# KiCad board ZVE.kicad_pcb (continued)
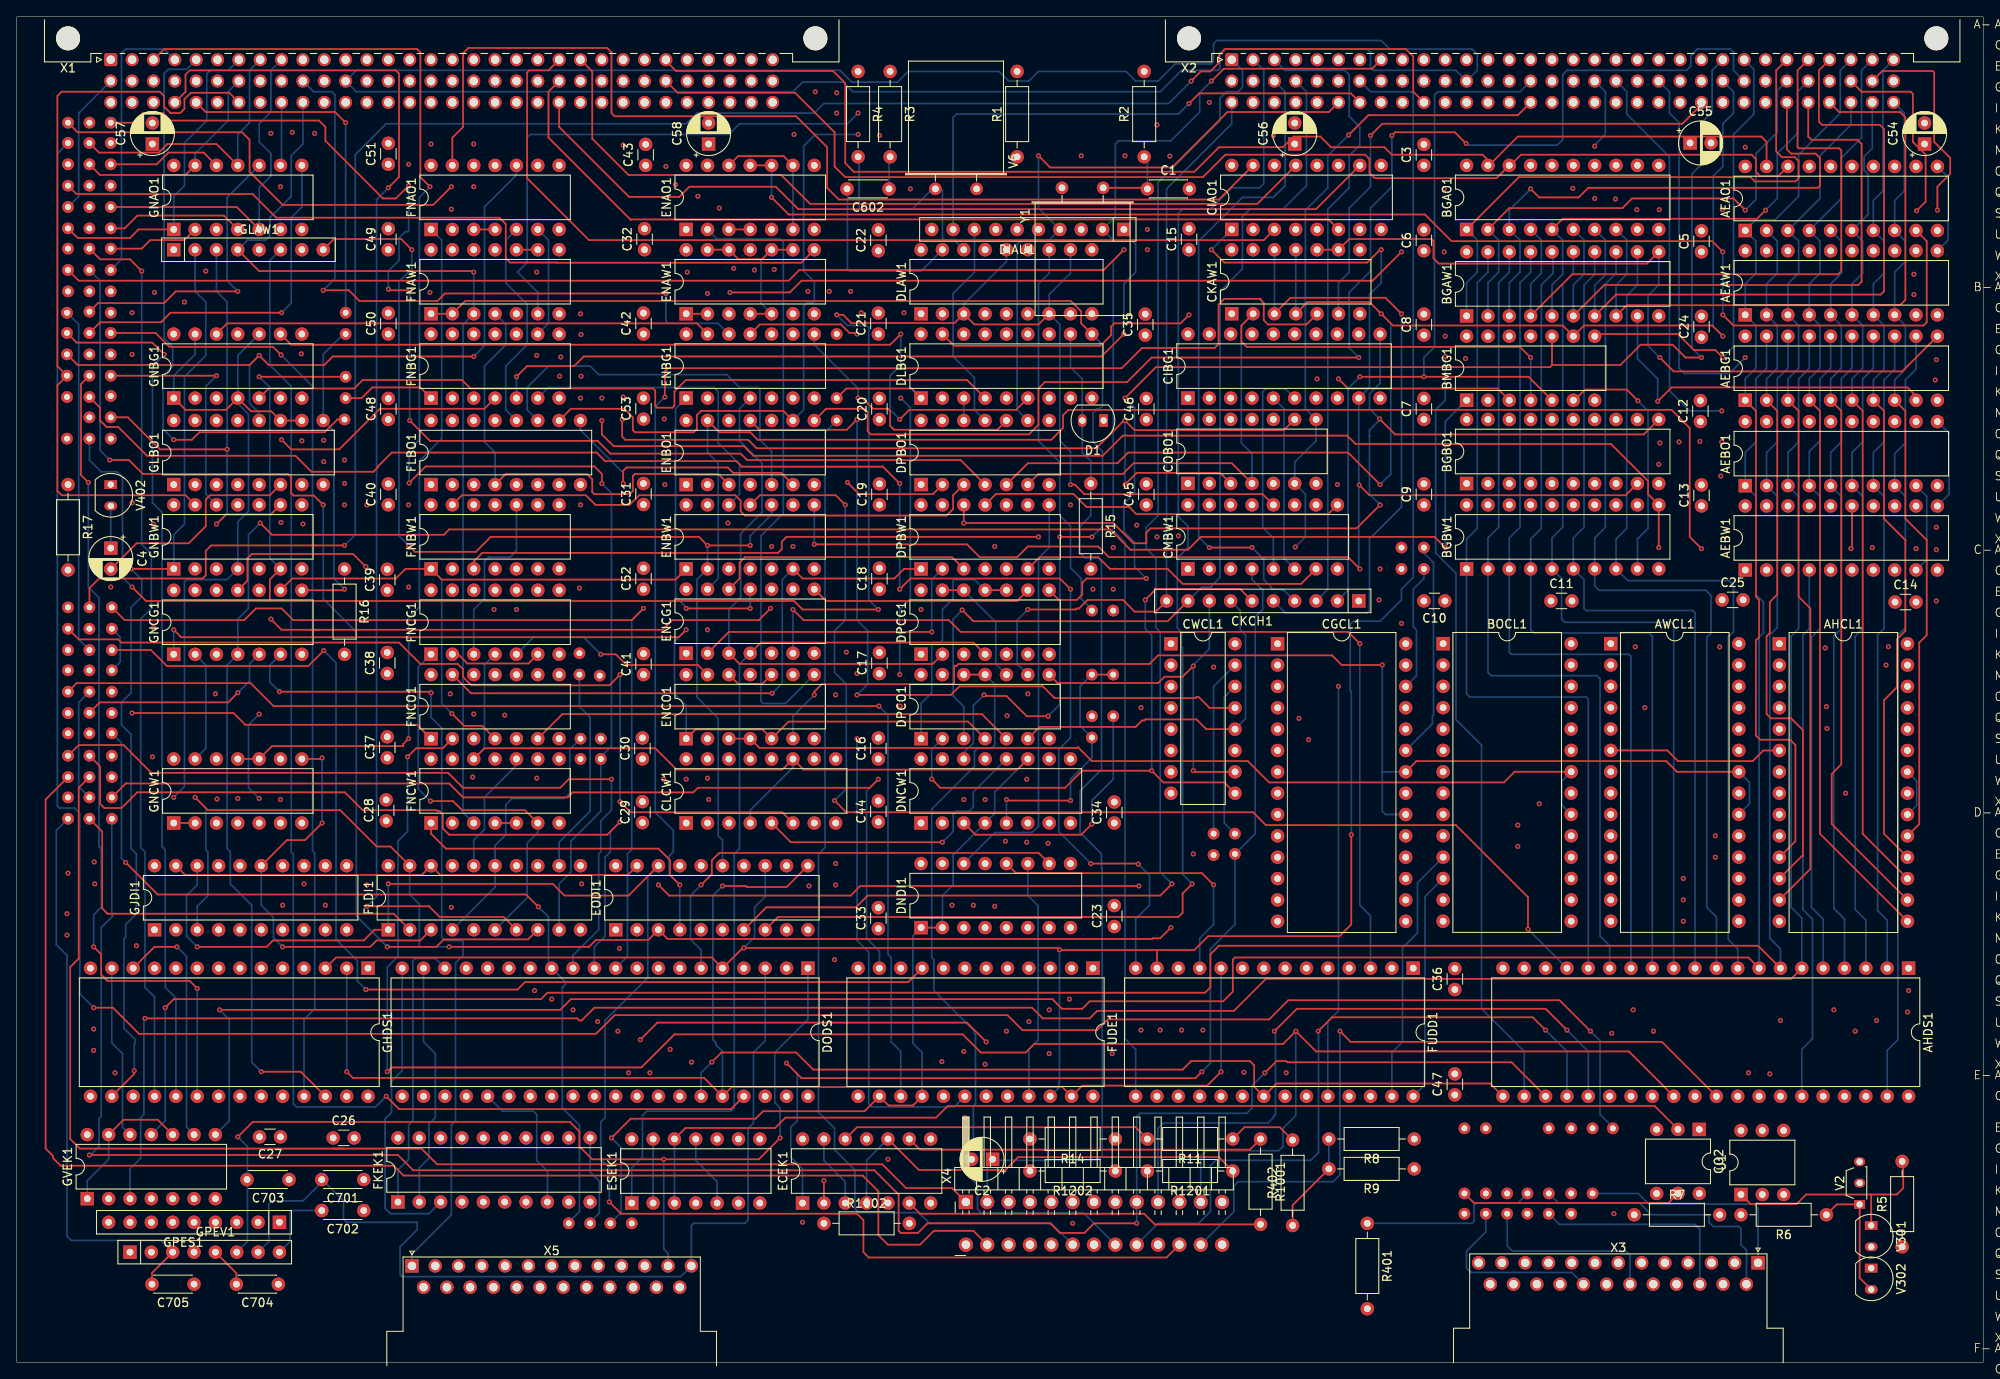
[diagram p0: board, top side]
## Routing (per net, layer and track width the routed paths; a pad name or vN(x,y) marks a point on that pad's centre or on a via; arc(x,y) is an arc through that point) (continued)
  Top w0.2: 64.52,112.02 65.91,113.42 72.26,113.42 73.28,112.4 73.28,110.88 73.53,110.63 80.52,110.63 80.9,111.01 80.9,112.66 81.41,113.17 91.19,113.17 ENBO1.9
  In4.Cu w0.2: X2.c3 147.83,148.09 145.29,148.09 145.27,148.07 137.31,148.07 136.14,149.23 103.25,149.23 v1(100.08,146.06)
  Bottom w0.2: ENBO1.9 93.6,113.29 93.6,125.61 93.98,125.99 94.61,125.99 94.87,126.25 94.87,128.53 93.6,129.8 93.6,144.66 95,146.06 v1(100.08,146.06)
TIME-OUT: length 83.8
  Top w0.2: X844.1 7.24,118.63 27.69,118.63 v1(28.83,119.77) 29.97,118.63 36.58,118.63 37.59,119.64 v1(54.36,119.64)
  Bottom w0.2: FNAO1.10 59.44,141.23 55.63,137.42 55.63,120.91 v1(54.36,119.64) ; v1(28.83,119.77) 27.69,118.63 27.69,114.06 28.83,112.91 GLBO1.12
TMR0-INTR: length 176.2
  In1.Cu w0.2: FUDE1.10 105.16,77.99 v1(105.09,78.05)
  In4.Cu w0.2: X914.1 9.78,83.58 14.22,83.58 14.86,82.94 19.81,82.94 20.07,82.69 20.07,80.91 20.32,80.65 85.6,80.65 85.98,81.04 85.98,82.43 86.49,82.94 88.14,82.94 88.52,82.56 88.52,81.16 89.03,80.65 100.71,80.65 101.98,79.38 103.76,79.38 v1(105.09,78.05)
  Bottom w0.2: X842.1 7.37,123.45 7.37,85.99 X914.1
TMR1-INTR: length 195.6
  In1.Cu w0.2: X841.1 4.06,125.36 4.06,116.72 3.43,116.09 3.43,55.89 v1(5.97,53.35)
  In4.Cu w0.2: FUDE1.13 100.08,30.49 99.44,29.85 33.27,29.85 33.02,30.11 33.02,34.55 31.75,35.82 5.33,35.82 4.83,36.33 4.83,52.21 v1(5.97,53.35)
TONE: length 154.9
  Top w0.2: 37.59,25.41 38.86,25.41 ; 37.59,25.41 7.49,25.41 6.35,26.55 6.35,47 7.37,48.02 7.37,68.34 X920.1 ; 37.59,25.41 38.86,25.41 ; 38.86,25.41 48.13,25.41 50,23.54 102.96,23.54 105.79,20.71 111.25,20.71 112.9,19.06
ZPS-DIR: length 64.2
  Top w0.2: v1(161.04,145.93) 162.43,147.33 198.13,147.33 200.79,149.99
  Bottom w0.2: CKAW1.6 157.23,128.41 158.5,129.68 158.5,137.3 161.04,139.84 v1(161.04,145.93)
ZPS-LOCK: length 115.9
  Top w0.2: CKCH1.9 136.91,88.15 113.79,88.15 v1(112.46,89.48)
  Bottom w0.2: CKCH1.9 140.97,92.21 142.11,92.21 142.11,92.34 143.13,93.35 143.13,127.39 145.8,130.06 145.8,136.28 146.69,137.17 150.62,137.17 153.42,139.96 153.42,151.14 X2.b4 ; v1(112.46,89.48) 111.38,88.4 111.38,79.26 112.65,77.99 DPCO1.3
Net-(AEBO1-CS): length 74.7
  Top w0.2: v1(192.85,114.37) 191.52,115.71 186.56,115.71 185.55,114.69
  In4.Cu w0.2: AEBW1.9 224.54,92.85 194.31,92.85 BGBW1.9
  Bottom w0.2: BGBW1.9 192.79,97.93 194.06,99.2 194.06,113.17 v1(192.85,114.37) ; AEBW1.9 227.2,95.51 227.2,103.01 AEBO1.9
Net-(AHCL1-A11): length 88.9
  In4.Cu w0.2: CGCL1.23 166.49,72.77 167.77,74.05 174.75,74.05 176.03,72.77 186.81,72.77 188.09,74.05 195.07,74.05 196.35,72.77 206.49,72.77 207.77,74.05 214.12,74.05 215.4,72.77 AHCL1.23
  Bottom w0.2: X715.1 167.39,96.28 168.53,95.13 168.53,76.97 168.4,76.84 168.4,75.95 CGCL1.23
Net-(AHCL1-CS): length 155.4
  Top w0.2: BOCL1.22 178.18,70.24 176.91,68.97 148.97,68.97 146.43,71.51 127.89,71.51 126.24,73.16 126.15,73.08 88.35,73.08 ENCO1.4 ENCO1.3
  In4.Cu w0.2: 185.54,70.23 186.81,70.23 188.09,71.51 214.12,71.51 215.4,70.23 AHCL1.22
  Bottom w0.2: AHCL1.20 226.01,66.25 226.01,69.13 AHCL1.22 ; BOCL1.22 183.81,69.14 183.81,66.26 BOCL1.20
Net-(AHCL1-NC): length 78.1
  In4.Cu w0.2: CGCL1.26 166.49,80.39 167.77,81.67 174.75,81.67 176.03,80.39 186.81,80.39 188.09,81.67 195.07,81.67 196.35,80.39 206.49,80.39 207.77,81.67 214.12,81.67 215.4,80.39 AHCL1.26
  Bottom w0.2: X716.1 167.39,93.23 166.12,91.96 166.12,87.51 166.5,87.13 166.5,81.67 CGCL1.26
Net-(AHDS1-C): length 354.8
  In1.Cu w0.2: GNBG1.11 26.29,117.23 GNBG1.3 ; FLDI1.17 51.82,54.24 v1(51.69,54.11) ; ENBO1.4 87.25,109.48 ENBO1.10 ; EODI1.2 72.64,52.59 72.64,62.02 73.28,62.65 73.28,105.29 77.03,109.04 v1(77.03,112.21)
  In4.Cu w0.2: DLBG1.8 124.08,113.42 91.19,113.42 ENBO1.10 88.39,113.42 78.36,113.42 77.09,112.15 v1(77.03,112.21) 75.82,113.42 25.02,113.42 GNBG1.3 ; GJDI1.2 20.45,52.97 42.8,52.97 43.94,54.11 v1(51.69,54.11) 59.31,54.11 60.58,52.84 72.39,52.84 EODI1.2 74.89,50.34 175.85,50.34 AHDS1.19
Net-(AHDS1-NMI): length 146.7
  Top w0.2: v1(98.55,101.99) 97.41,103.13 88.39,103.13 ENBW1.11 ; v1(179.77,51.51) 179.77,55.32 171.2,63.89 148.59,63.89 147.07,65.41 98.68,65.41 v1(97.28,66.81)
  Bottom w0.2: AHDS1.17 v1(179.77,51.51) ; v1(98.55,101.99) 98.55,88.27 97.28,87 97.28,82.05 98.68,80.65 98.68,68.21 v1(97.28,66.81)
Net-(AWCL1-CS): length 147.6
  Top w0.2: CGCL1.22 166.5,71.51 196.21,71.51 197.49,70.24 AWCL1.22 ; v1(162.43,82.94) 157.61,82.94 156.46,84.08 135.76,84.08 134.75,83.07 112.02,83.07 111.77,82.81 111.51,82.81 111.51,80.78 111.38,80.65 95.76,80.65 94.87,79.77 v1(94.87,79.38)
  Bottom w0.2: v1(94.87,79.38) 92.33,76.84 ENCO1.6 ; 162.43,70.24 162.44,70.23 CGCL1.22 ; 162.43,70.24 v1(162.43,82.94) ; 162.43,70.24 162.43,65.54 162.82,65.15 CGCL1.20 ; AWCL1.22 206.12,68.97 206.12,66.43 AWCL1.20
Net-(BGBO1-CS): length 170
  Top w0.2: v1(159.7,104.34) 160.91,103.13 191.39,103.13 BGBO1.9 ; v1(142.11,132.34) 143.64,130.82 160.65,130.82 162.18,132.34 v1(162.31,132.34) ; v1(159.77,94.37) 158.37,95.77 129.92,95.77 128.65,97.04 120.27,97.04 119,95.77 114.55,95.77 113.03,97.29 v1(94.87,97.29)
  Bottom w0.2: CIAO1.1 v1(142.11,132.34) ; ENBW1.8 v1(94.87,97.29) ; v1(162.31,132.34) 162.31,128.41 160.91,127.01 160.91,115.96 CIBG1.9 159.64,94.5 v1(159.77,94.37)
Net-(BMBG1-Pad3): length 137.7
  Top w0.2: v1(84.84,127.26) 91.95,127.26 93.34,128.66 161.29,128.66 v1(164.72,132.09) ; v1(157.23,116.98) 158.37,115.83 176.15,115.83 BMBG1.3
  In1.Cu w0.2: v1(157.23,116.98) 158.37,118.12 158.37,125.74 v1(164.72,132.09) ; ENAO1.13 82.17,136.92 83.44,135.65 83.44,128.66 v1(84.84,127.26)
Net-(C1-Pad1): length 8.6
  Top w0.2: Y1.2 134.37,139.71
  Bottom w0.2: C1.1 134.49,143.01
Net-(C602-Pad1): length 15.4
  In1.Cu w0.2: V6.1 112.65,141.11 107.82,141.11 v1(106.3,139.58)
  In4.Cu w0.2: v1(106.3,139.58) C602.1
  Bottom w0.2: C602.1 103.76,143.27
Net-(CIAO1-DIEN): length 239.7
  Top w0.2: COBO1.4 144.54,106.94 132.84,106.94 131.57,105.67 121.54,105.67 DPBO1.6 ; FNAO1.13 51.82,145.68 53.09,146.95 53.09,155.71 53.72,156.35 70.23,156.35 70.74,155.84 70.74,148.6 71.12,148.22 92.71,148.22 96.39,144.54 96.39,139.71 97.79,138.31 143,138.31 CIAO1.15 ; v1(180.09,119.52) 178.82,120.79 146.3,120.79 145.67,121.42 145.67,123.33 CKAW1.2
  In1.Cu w0.2: CKAW1.2 147.07,127.26 145.8,128.53 145.8,141.11 CIAO1.15
  In4.Cu w0.2: CKAW1.1 CKAW1.2
  Bottom w0.2: COBO1.4 146.94,108.09 145.67,109.36 145.67,123.33 CKAW1.2 ; BMBG1.4 v1(180.09,119.52)
Net-(CKCH1E-R5.2): length 78.2
  Top w0.2: CKCH1.6 145.54,91.96 135.51,91.96 v1(134.24,90.69) ; v1(108.84,69.35) 109.86,68.34 124.71,68.34 126.75,70.37 v1(135,70.37) 136.4,68.97 143.63,68.97 CWCL1.9
  Bottom w0.2: v1(108.84,69.35) 108.84,72.91 DPCO1.2 ; v1(135,70.37) 135,86.5 134.24,87.26 v1(134.24,90.69)
Net-(CKCH1F-R6.2): length 42.6
  Top w0.2: DPCO1.6 121.67,75.57 133.1,75.57 133.86,76.34 134.11,76.34 134.24,76.46 140.33,76.46 141.49,75.31 CWCL1.12
  Bottom w0.2: CKCH1.7 145.54,89.42 145.54,87.13 146.18,86.5 146.18,76.57 CWCL1.12
Net-(CKCH1G-R7.2): length 44.4
  Top w0.2: 122.81,81.8 123.81,80.8 135.78,80.8 136.52,81.54 138.68,81.54 v1(139.95,82.81) ; CWCL1.10 140.1,70.23 v1(139.95,70.37)
  Bottom w0.2: v1(139.95,70.37) v1(139.95,82.81) 139.95,82.94 141.86,84.85 CKCH1.8
Net-(CLCW1-3): length 106.3
  Top w0.2: v1(71.75,81.8) 70.48,80.53 54.07,80.53 53.09,81.51 53.09,82.43 52.45,83.07 48.01,83.07 45.47,85.61 12.45,85.61 12.06,85.99 7.37,85.99 X924.1 ; v1(71.75,66.68) 73.03,65.41 91.06,65.41 CLCW1.6
  Bottom w0.2: v1(71.75,66.68) v1(71.75,81.8)
Net-(CLCW1-T1): length 35.2
  Top w0.2: v1(110.11,61.86) 92.08,61.86 CLCW1.5
  Bottom w0.2: DNCW1.12 113.79,67.83 113.79,66.05 113.28,65.54 111.76,65.54 111.38,65.16 111.38,63.13 v1(110.11,61.86)
Net-(CMBW1-Pad7): length 36.9
  Top w0.2: DPBW1.6 121.67,95.77 128.65,95.77 130.05,94.37 136.91,94.37 138.68,92.59 152.78,92.59 CMBW1.7
Net-(CMBW1-Pad9): length 43.9
  Top w0.2: CMBW1.9 156,100.89 133.18,100.89 132.33,101.74 127.25,101.74 125.69,103.3 116.5,103.3 DPBW1.11
Net-(CO2-Pad1): length 71.5
  In4.Cu w0.2: R14.1 132.08,27.95 145.67,27.95 147.32,29.6 198.25,29.6 CO2.1
Net-(CO2-Pad6): length 3.4
  In1.Cu w0.2: R7.2 200.15,19.95
Net-(COBO1A-D): length 124.8
  In1.Cu w0.2: v1(31.43,99.89) 30.23,98.69 30.23,93.23 GNCG1.10
  In4.Cu w0.2: COBO1.2 140.73,105.67 61.09,105.67 60.71,105.29 60.71,101.23 60.2,100.72 32.26,100.72 v1(31.43,99.89)
Net-(CWCL1-A7): length 21.1
  Bottom w0.2: CWCL1.15 142.37,80.38 X722.1
Net-(CWCL1-A8): length 18.6
  Bottom w0.2: CWCL1.14 143.64,79.11 143.64,64.14 X720.1
Net-(CWCL1-CS): length 94
  Top w0.2: v1(99.95,112.15) 98.72,110.92 88.35,110.92 ENBO1.11 ; CWCL1.13 141.87,77.85 140.59,79.13 140.33,79.13 140.21,79 123.44,79 122.05,80.4 112.14,80.4 111.12,79.38 v1(99.95,79.38)
  Bottom w0.2: v1(99.95,79.38) 101.22,80.65 101.22,87 99.95,88.27 v1(99.95,112.15)
Net-(CWCL1-D1): length 64.2
  In4.Cu w0.2: ENCO1.2 83.31,73.03 135,73.03 136.02,74.05 140.33,74.05 141.62,72.77 CWCL1.11
Net-(DLAW1-OSC): length 45.9
  Bottom w0.2: 127.83,89.61 126.62,90.81 126.62,93.23 125.35,94.5 125.35,99.45 124.08,100.72 124.08,107.07 121.54,109.61 121.54,128.28 122.81,129.55 DLAW1.12
Net-(DLAW1-X1): length 22.1
  Bottom w0.2: DLAW1.17 107.57,129.8 99.06,129.8 98.81,130.06 98.81,139.71
Net-(DLAW1-X2): length 26.4
  Bottom w0.2: DLAW1.16 111.51,133.49 110.36,133.49 110.11,133.74 110.11,139.42 109.44,140.09 106.52,137.17 100.46,137.17 100.2,137.42 100.2,143.52
Net-(DLBG1-AEN1): length 2.7
  Bottom w0.2: DPBO1.12 DLBG1.3
Net-(DLBG1-CSYN): length 11
  Top w0.2: X727.1 98.68,115.83 106.43,115.83 DLBG1.1
Net-(DLBG1-DRY1): length 92.9
  Top w0.2: GNBG1.5 29.97,115.83 40.13,115.83 41.15,116.85 52.96,116.85 53.97,115.83 75.69,115.83 75.95,115.58 75.95,113.8 76.2,113.55 77.98,113.55 78.23,113.8 78.23,115.48 79.6,116.85 113.03,116.85 DLBG1.4
Net-(DLBG1-DRY2): length 102.3
  Top w0.2: GNBG1.9 32.64,121.04 103.89,121.04 v1(105.16,122.31) ; v1(105.03,112.15) 106.17,113.29 118.87,113.29 DLBG1.6
  Bottom w0.2: v1(105.16,122.31) 105.16,118.63 103.89,117.36 103.89,113.29 v1(105.03,112.15)
Net-(DLBG1-F/C): length 44.7
  In1.Cu w0.2: 110.11,81.8 111.38,83.07 111.38,105.93 116.59,111.13 116.59,116.72 120.27,120.41 DLBG1.13
Net-(DLBG1-X1): length 48.1
  Top w0.2: v1(139.45,124.6) 138.43,123.58 130.56,123.58 130.18,123.2 130.18,122.18 128.9,120.91 111.51,120.91 DLBG1.17
  In1.Cu w0.2: C1.2 140.72,138.36 140.72,125.87 v1(139.45,124.6)
Net-(DLBG1-X2): length 29
  In1.Cu w0.2: 119,139.71 119,136.92 117.73,135.65 117.73,134.12 116.46,132.85 116.46,130.69 113.92,128.15 113.92,123.58 DLBG1.16 ; 119,139.71 Y1.1 ; 119,139.71 R1.1
Net-(DNCW1-1): length 30.2
  Top w0.2: v1(127.89,64.02) 126.62,62.75 114.05,62.75 DNCW1.3
  Bottom w0.2: v1(127.89,64.02) 127.89,66.81 130.43,69.35 W103C1.1
Net-(DNCW1-3): length 130.9
  In1.Cu w0.2: v1(23.62,79.51) 25.02,78.11 25.02,68.34 v1(26.29,67.07)
  In4.Cu w0.2: v1(23.62,79.51) 18.8,79.51 17.53,80.78 12.83,80.78 X904.1 ; v1(26.29,67.07) 27.56,65.8 27.56,63.13 28.19,62.49 109.09,62.49 109.64,63.04 119.17,63.04 DNCW1.6
  Bottom w0.2: X912a1.1 12.3,86.26 12.3,83.31 X904.1
Net-(DNCW1-4): length 149.5
  In1.Cu w0.2: X913.1 7.37,85.99 7.37,62.62 9.21,60.78 v1(9.21,59.51) ; v1(117.6,61.99) 118.49,62.87 121.54,62.87 DNCW1.7
  In4.Cu w0.2: v1(117.6,61.99) 114.43,61.99 113.92,61.48 113.92,58.43 113.54,58.05 103.63,58.05 103.55,57.96 93.3,57.96 92.96,58.3 92.96,60.08 92.58,60.46 10.16,60.46 v1(9.21,59.51)
Net-(DNCW1-T1): length 30.2
  Top w0.2: v1(117.73,66.94) 117.86,66.81 v1(125.35,66.81) ; XS1X4.1 XS1X2.1
  Bottom w0.2: v1(125.35,66.81) 125.35,69.35 127.89,71.89 W103A1.1 126.49,75.7 126.49,80.4 XS1X2.1 ; DNCW1.5 v1(117.73,66.94)
Net-(DNDI1-22): length 55.4
  Top w0.2: DNDI1.10 121.54,60.59 83.57,60.59 82.68,59.7 82.68,58.05 v1(81.41,56.78)
  Bottom w0.2: DODS1.6 81.41,49.03 80.14,50.3 80.14,55.51 v1(81.41,56.78)
Net-(DNDI1-23): length 28.6
  Bottom w0.2: DNDI1.11 120.27,55.51 121.5,54.28 121.5,38.32 120.4,37.22 FUDE1.21
Net-(DNDI1-24): length 36.3
  Top w0.2: DNDI1.12 118.87,58.18 140.97,58.18 v1(142.37,56.78)
  Bottom w0.2: v1(142.37,56.78) 142.37,52.08 140.72,50.43 FUDD1.11
Net-(DNDI1-V2): length 148.1
  In1.Cu w0.2: GNCW1.12 23.75,67.07 v1(23.81,67)
  In4.Cu w0.2: DNDI1.14 111.51,60.46 108.84,60.46 107.32,61.99 25.78,61.99 25.02,62.75 25.02,65.8 v1(23.81,67)
  Bottom w0.2: DPBW1.8 122.81,96.91 121.54,95.64 121.54,63.76 120.78,63 116.33,63 DNDI1.14
Net-(DODS1-PB0): length 33.8
  Bottom w0.2: DODS1.18 49.78,48.02 47.37,48.02 47.12,47.76 47.12,28.71 46.61,28.2 46.61,24.14 45.34,22.87 FKEK1.1
Net-(DODS1-PB1): length 29.2
  Bottom w0.2: DODS1.19 48.39,38.11 49.78,36.71 49.78,29.09 49.02,28.33 49.02,24.27 47.88,23.12 FKEK1.2
Net-(DODS1-PB2): length 36.9
  Bottom w0.2: DODS1.20 45.85,34.68 44.58,33.41 44.58,29.73 43.81,28.97 43.81,18.3 44.45,17.66 49.02,17.66 FKEK1.3
Net-(DODS1-PB3): length 15.5
  In1.Cu w0.2: DODS1.21 49.15,28.33 49.15,24.77 52.96,20.96 FKEK1.4
Net-(DODS1-PB4): length 15.5
  In1.Cu w0.2: DODS1.22 51.82,28.2 51.82,24.77 55.5,21.09 FKEK1.5
Net-(DODS1-PB5): length 15.5
  In1.Cu w0.2: DODS1.23 54.23,28.33 54.23,24.77 58.04,20.96 FKEK1.6
Net-(DODS1-PB6): length 15.5
  In1.Cu w0.2: DODS1.24 56.77,28.33 56.77,24.65 60.58,20.84 FKEK1.7
Net-(DODS1-PB7): length 17.7
  Bottom w0.2: DODS1.25 57.78,29.85 61.47,29.85 61.85,29.47 61.85,24.01 63.12,22.74 FKEK1.8
Net-(DPBO1-Pad2): length 44.1
  Top w0.2: DPBO1.2 108.97,103.26 100.2,103.26 v1(98.81,104.66) ; ENBG1.11 88.39,123.45 98.04,123.45 99.06,122.44 99.82,122.44 v1(99.95,122.31)
  In1.Cu w0.2: v1(99.95,122.31) 99.95,118.63 98.81,117.48 v1(98.81,104.66)
Net-(DPBO1-Pad3): length 66.5
  Top w0.2: FNBW1.13 52.95,103.13 67.69,103.13 68.83,101.99 72.9,101.99 74.04,103.13 85.47,103.13 86.11,102.5 86.11,101.23 86.61,100.72 110.62,100.72 111.38,101.48 111.38,103.13 DPBO1.3
Net-(DPBO1-Pad8): length 84.2
  Top w0.2: FNBW1.3 54.36,95.26 55.37,96.28 90.55,96.28 91,96.72 91,97.61 91.57,98.18 v1(121.54,98.18)
  In1.Cu w0.2: DPBO1.8 122.81,106.94 121.54,105.67 v1(121.54,98.18)
Net-(DPBO1-Pad10): length 30.5
  Top w0.2: DPBO1.10 116.63,110.92 104.37,110.92 104.14,111.15 104.12,111.15 103.89,111.39 103.89,113.17 103.63,113.42 101.85,113.42 100.58,114.69 v1(100.08,114.69)
  Bottom w0.2: ENBG1.8 94.87,121.04 100.08,115.83 v1(100.08,114.69)
Net-(DPBW1-Pad2): length 35.7
  Top w0.2: v1(108.84,86.88) 84.71,86.88 ENCG1.2
  Bottom w0.2: v1(108.84,86.88) 108.84,93.1 DPBW1.2
Net-(DPCG1-Pad2): length 60
  Top w0.2: ENCG1.3 85.98,83.07 108.96,83.07 DPCG1.2
  Bottom w0.2: ENBG1.4 85.98,113.42 85.98,109.61 88.65,106.94 88.65,101.1 86.11,98.56 86.11,90.94 84.71,89.54 ENCG1.3
Net-(DPCG1-Pad6): length 31.5
  In4.Cu w0.2: DPCG1.6 119.12,83.07 91.06,83.07 ENCG1.5
Net-(DPCG1-Pad9): length 26.5
  Top w0.2: 94.87,91.96 96.27,90.56 118.99,90.56 DPCG1.9
Net-(DPCG1-Pad10): length 27.8
  Top w0.2: DPCG1.11 DPCG1.10
  Bottom w0.2: DPCO1.1 107.57,78.37 108.84,79.64 108.84,85.48 108.97,85.61 109.86,85.61 110.11,85.86 110.11,89.54 111.38,90.81 111.38,92.97 111.51,93.1 113.93,93.1 DPCG1.11
Net-(DPCG1-Pad12): length 14.7
  Top w0.2: DPCG1.13 DPCG1.12
  Bottom w0.2: DPCG1.12 116.46,88.03 116.46,83.07 117.73,81.8
Net-(DPCO1-Pad4): length 116.9
  Top w0.2: v1(18.67,87.13) 19.56,86.24 78.74,86.24 v1(79.63,87.13) ; ENCO1.1 80.73,75.28 88.69,75.28 ENCO1.5 91.82,76.21 113.16,76.21 DPCO1.4
  Bottom w0.2: v1(79.63,87.13) 78.23,85.73 78.23,79.51 79.63,78.11 ENCO1.1 ; GNCG1.1 v1(18.67,87.13)
Net-(DPCO1-Pad5): length 58.2
  Top w0.2: FNCO1.6 64.9,77.1 114.81,77.1 DPCO1.5
Net-(ECEK1A-1A): length 61.7
  Top w0.2: R11.1 146.05,27.95 150.24,27.95 R402.2 ; ECEK1.2 v1(96.01,21.6)
  In4.Cu w0.2: v1(96.01,21.6) 139.7,21.6 R11.1
Net-(ECEK1A-1B): length 52.5
  Top w0.2: ECEK1.10 107.32,22.87 117.6,22.87 119.13,24.39 143,24.39 R1201.1
  Bottom w0.2: ECEK1.4 101.09,24.01 ECEK1.10
Net-(ECEK1A-1E): length 53.6
  Top w0.2: R1001.2 135.38,16.39 134.11,17.66 107.44,17.66 106.17,18.93
  In1.Cu w0.2: 106.17,18.93 106.17,23.25 104.39,25.03 102.62,25.03 ECEK1.11
Net-(ECEK1A-1Y): length 8.7
  Bottom w0.2: ECEK1.13 96.01,24.01 98.55,21.47 ECEK1.3
Net-(ECEK1A-2E): length 78.7
  Top w0.2: 106.17,26.55 107.44,25.28 146.69,25.28 R1001.1
  In4.Cu w0.2: R1001.1 150.5,29.09 180.98,29.09 X706.1
Net-(ECEK1A-2Y): length 115.2
  Top w0.2: ECEK1.12 99.95,27.95 133.1,27.95 R11.2
  In1.Cu w0.2: v1(98.68,84.46) 98.68,84.21 98.55,84.08 ECEK1.12
  In4.Cu w0.2: DPCG1.5 116.34,85.61 99.82,85.61 v1(98.68,84.46)
Net-(ENAO1-Pad3): length 2.5
  Top w0.2: ENAO1.3 ENAO1.4
Net-(ENAO1-Pad12): length 16.2
  Top w0.2: ENAO1.12 85.81,143.48 91.23,143.48 ENAO1.9
  Bottom w0.2: ENAO1.6 ENAO1.9
Net-(ENAW1-Pad1): length 148.1
  Top w0.2: ENAW1.13 ENAW1.12 85.85,131.2 88.65,131.2 ENAW1.10 ENAW1.9 ; ENAW1.5 ENAW1.4 ; ENAW1.1 ENAW1.2
  In1.Cu w0.2: ENAW1.1 78.23,123.33 78.23,103.13 76.96,101.86 v1(76.96,69.35)
  In4.Cu w0.2: ENAW1.4 85.98,123.45 83.44,123.45 ENAW1.2 ; GNCW1.3 22.35,65.54 22.35,67.95 22.73,68.34 65.91,68.34 68.2,70.62 75.69,70.62 v1(76.96,69.35)
  Bottom w0.2: ENAW1.5 88.52,125.99 88.52,131.07 ENAW1.10
Net-(ENBG1-Pad1): length 36
  Top w0.2: v1(79.63,89.67) v1(87.25,89.67)
  Bottom w0.2: ENBG1.1 78.36,113.42 78.36,91.07 79.63,89.8 v1(79.63,89.67) ; 87.25,91.96 v1(87.25,89.67)
Net-(ENBG1-Pad13): length 59.5
  Top w0.2: ENBG1.13 80.9,123.58 25.02,123.58 GNBG1.12
Net-(ENBO1-Pad5): length 46.2
  Bottom w0.2: FLBO1.11 60.71,113.29 60.71,115.96 63.25,118.5 68.2,118.5 69.22,117.48 84.45,117.48 85.98,115.96 88.14,115.96 88.39,115.71 88.39,109.74 89.79,108.34 ENBO1.5
Net-(ENBW1-Pad12): length 37.2
  Bottom w0.2: FNBG1.6 63.25,115.96 82.93,115.96 83.44,115.45 83.44,109.36 85.98,106.82 85.98,103.26 ENBW1.12
Net-(ENCO1-Pad9): length 94.9
  In1.Cu w0.2: 92.33,81.8 91.23,82.9 91.23,95.6 v1(89.79,97.04)
  In4.Cu w0.2: GNBW1.2 19.94,93.11 19.94,91.2 20.57,90.56 36.83,90.56 37.97,89.42 54.61,89.42 55.88,90.69 65.28,90.69 65.66,91.07 65.66,92.97 68.58,95.89 88.65,95.89 v1(89.79,97.04)
Net-(ENCO1-Pad10): length 90.2
  Top w0.2: 89.79,81.8 88.69,80.7 85.81,80.7 84.71,81.8
  In4.Cu w0.2: 84.71,81.8 83.44,83.07 55.51,83.07 FNCG1.3 53.26,83.12 51.44,83.12 51.42,83.11 24.85,83.11 GNCG1.3
  Bottom w0.2: FNCG1.3 54.36,89.54 55.63,90.81 55.63,95.26 56.13,95.77 58.67,95.77 59.44,96.53 FNBW1.10
Net-(ENCO1-Pad13): length 25.4
  Top w0.2: 82.17,81.8 81.03,82.94 72.52,82.94 71.25,84.21 v1(69.47,84.21)
  Bottom w0.2: v1(69.47,84.21) 67.44,86.24 61.46,86.24 FNCG1.5
Net-(EODI1-ALE): length 88.3
  In1.Cu w0.2: FNBW1.2 50.41,92.97 42.67,92.97 41.66,91.96 v1(41.66,56.78)
  In4.Cu w0.2: v1(41.66,56.78) 42.8,55.64 63.75,55.64 65.15,54.24 78.61,54.24 EODI1.5
Net-(ESEK1A-1A): length 139
  In1.Cu w0.2: DPCG1.3 113.92,82.95 113.92,80.91 111.25,78.24 111.25,68.84 108.97,66.56 108.97,29.98 109.86,29.09 v1(112.78,29.09)
  In4.Cu w0.2: FUDD1.19 143.26,30.49 141.86,29.09 v1(112.78,29.09) 106.3,29.09 105.03,27.82 76.96,27.82 ESEK1.13
  Bottom w0.2: ESEK1.2 ESEK1.13
Net-(ESEK1A-1B): length 26
  In1.Cu w0.2: ESEK1.9 80.77,21.47 ESEK1.4
  In4.Cu w0.2: R1002.1 94.74,17.79 81.91,17.79 ESEK1.4
Net-(ESEK1A-1C): length 47.5
  In4.Cu w0.2: R1202.2 87.12,22.74 ESEK1.5
  Bottom w0.2: ESEK1.5 83.31,21.47 80.77,24.01 ESEK1.11
Net-(ESEK1A-1E): length 95.1
  In4.Cu w0.2: 106.17,16.52 104.9,17.79 104.9,20.21 ; X712.1 153.92,27.82 153.29,27.19 153.29,25.79 147.7,20.2 145.54,20.2 145.54,20.21 104.9,20.21 ; 104.9,20.21 87.13,20.21 ESEK1.6
Net-(ESEK1A-1Y): length 129.8
  Top w0.2: CO2.2 194.82,30.49 110.74,30.49 109.35,29.09 91.44,29.09 90.21,27.87 79.55,27.87 ESEK1.12
  Bottom w0.2: ESEK1.3 ESEK1.12
Net-(ESEK1A-G): length 106.2
  Top w0.2: ENCG1.4 88.52,85.61 113.8,85.61 DPCG1.4
  Bottom w0.2: ESEK1.1 73.15,23.12 74.42,24.39 74.42,29.35 74.93,29.85 84.96,29.85 85.34,30.24 85.34,60.46 85.98,61.1 85.98,83.07 ENCG1.4
Net-(FKEK1-DIR): length 118.2
  In1.Cu w0.2: FKEK1.11 65.66,29.22 58.17,29.22 57.4,29.98 57.4,31.51 57.15,31.76 57.15,35.19 47.12,45.22 47.12,50.27 47.88,51.03 47.88,76.46 46.61,77.73 v1(46.61,92.21)
  In4.Cu w0.2: GNCG1.13 22.61,93.23 38.99,93.23 39.03,93.27 40.34,93.27 42.93,90.69 45.08,90.69 v1(46.61,92.21)
  Bottom w0.2: FKEK1.11 68.2,22.62 69.34,21.47 69.3,21.43 69.3,17.75 68.2,16.65
Net-(FLBO1-C): length 32.3
  Top w0.2: v1(72.14,104.53) 72.14,106.05 72.52,106.44 84.58,106.44 85.22,105.8 90.93,105.8 ENBO1.6
  Bottom w0.2: FLBO1.9 67.06,110.88 72.14,105.8 v1(72.14,104.53)
Net-(FLBO1-D1): length 55.2
  Top w0.2: ENBO1.3 83.44,105.67 73.53,105.67 73.28,105.42 73.28,103.64 72.9,103.26 68.71,103.26 68.45,103.51 68.45,105.04 67.82,105.67 58.17,105.67 FLBO1.4
  Bottom w0.2: FNAW1.4 58.17,123.45 58.17,121.04 55.63,118.5 55.63,109.48 56.9,108.21 FLBO1.4
Net-(FLBO1-D2): length 8.6
  In4.Cu w0.2: FLBO1.2 52.96,103.26 58.29,103.26 FLBO1.5
Net-(FLBO1-D3): length 35.6
  In1.Cu w0.2: 64.52,104.4 59.44,109.48 FLBO1.12
  Bottom w0.2: FLBO1.12 58.17,113.29 58.17,118.5 60.71,121.04 60.71,125.87 58.17,128.41 58.17,133.49 FNAO1.5
Net-(FLDI1-ANYRQ): length 17.6
  In1.Cu w0.2: FLDI1.14 60.71,60.33 60.71,68.34 v1(61.85,69.48)
  In4.Cu w0.2: v1(61.85,69.48) 64.77,69.48 X739.1
Net-(FLDI1-BPRO): length 126.8
  Top w0.2: v1(36.45,101.99) 35.34,103.1 32.93,103.1 32.64,103.39 32.64,105.29 32.26,105.67 14.99,105.67 13.34,107.32 v1(11.05,107.32) ; v1(44.07,49.41) 49.91,49.41 50.8,50.3 60.83,50.3 FLDI1.8
  Bottom w0.2: v1(36.45,101.99) 36.45,90.81 40.39,86.88 40.39,53.1 v1(44.07,49.41) ; X824.1 9.91,128.66 9.91,108.47 v1(11.05,107.32)
Net-(FLDI1-CBRQ): length 24.8
  Bottom w0.2: FLDI1.12 64.52,61.86 68.2,65.54 68.2,76.72 66.93,77.99 X735.1
Net-(FNAO1-Pad3): length 2.5
  Top w0.2: FNAO1.4 FNAO1.3
Net-(FNAO1-Pad6): length 13.5
  Bottom w0.2: FNBG1.9 63.25,123.58 63.25,133.49 FNAO1.6
Net-(FNAO1-Pad8): length 27.3
  In1.Cu w0.2: v1(61.85,119.77) 63.25,121.17 63.25,141.11 64.52,142.38
  In4.Cu w0.2: v1(61.85,119.77) 61.85,119.9 FNBG1.10
Net-(FNBG1-Pad8): length 49.3
  In4.Cu w0.2: 64.52,122.31 63.25,121.04 63.25,119.01 62.61,118.37 22.1,118.37 21.21,117.48 GNBG1.2
Net-(FNBW1-Pad4): length 35.6
  Top w0.2: v1(41.53,94.62) 40,96.15 27.94,96.15 27.43,95.64 27.43,92.97 GNCG1.11
  In4.Cu w0.2: FNBW1.4 55.74,93.23 42.93,93.23 v1(41.53,94.62)
Net-(FNCG1-Pad2): length 10.4
  Top w0.2: FNCG1.6 60.88,83.12 53.59,83.12 52.49,84.22
Net-(FNCO1-Pad12): length 12.1
  In1.Cu w0.2: FNCW1.11 55.63,73.03 55.63,74.94 56.9,76.21 56.9,79.26 54.36,81.8
Net-(FUDD1-DTR): length 150.9
  In4.Cu w0.2: v1(157.23,80.4) 156.08,80.4 154.81,81.67 136.27,81.67 134.87,80.27 132.59,80.27 132.21,80.65 106.17,80.65 v1(105.03,81.8) ; ENBG1.6 93.47,115.83 104.01,115.83 v1(105.16,114.69)
  Bottom w0.2: v1(157.23,80.4) 157.23,41.79 155.96,40.52 FUDD1.24 ; v1(105.03,81.8) 105.03,89.54 106.3,90.81 106.3,113.55 v1(105.16,114.69)
Net-(FUDD1-RTS): length 142.8
  In1.Cu w0.2: v1(92.33,97.04) 93.73,98.43 93.73,106.94 90.89,109.78 90.89,113.59 ENBG1.5 ; FUDD1.23 152.32,30.53 142.58,30.53 141.99,31.12 141.99,41.79 139.45,44.33 139.45,51.57 141.1,53.22 141.1,62.24 137.92,65.41 129.41,65.41 129.16,65.67 129.16,90.12 128.02,91.26 v1(128.02,91.96)
  In4.Cu w0.2: v1(128.02,91.96) 124.33,95.64 93.73,95.64 v1(92.33,97.04)
Net-(FUDD1-RxC): length 66.3
  In1.Cu w0.2: v1(115.19,35.44) 114.05,35.44 FUDE1.17 ; v1(145.99,34.49) 145.8,34.68 FUDD1.9
  In4.Cu w0.2: v1(115.19,35.44) 118.87,35.44 120.14,34.17 132.08,34.17 132.46,34.55 137.67,34.55 138.81,35.7 144.91,35.7 144.91,35.57 v1(145.99,34.49) 146.05,34.43 147.32,35.7 154.43,35.7 FUDD1.25
Net-(FUDD1-RxD): length 113.5
  Top w0.2: v1(159.77,85.48) 158.37,86.88 112.27,86.88 110.87,88.27 93.6,88.27 v1(92.33,89.54)
  Bottom w0.2: v1(159.77,85.48) 159.77,54.37 161.04,53.1 FUDD1.3 ; ENCG1.6 v1(92.33,89.54)
Net-(FUDE1-C0): length 136.4
  Top w0.2: X903.1 15.96,84.72 17.87,82.81 34.67,82.81 v1(36.51,84.65) ; v1(41.53,44.33) 59.56,44.33 60.45,45.22 106.05,45.22 FUDE1.9
  Bottom w0.2: v1(36.51,84.65) 37.97,83.19 37.97,50.3 40.51,47.76 40.51,45.35 v1(41.53,44.33)
Net-(FUDE1-C1): length 145.5
  Top w0.2: v1(102.55,78.05) 30.54,78.05 27.81,80.78 7.11,80.78 X927.1
  Bottom w0.2: FUDE1.15 105.16,36.97 104.01,38.11 104.01,48.14 103.63,48.52 103.63,76.97 v1(102.55,78.05)
Net-(FUDE1-C2): length 147.1
  In4.Cu w0.2: X905.1 16.26,79.77 17.78,78.24 60.58,78.24 61.85,76.97 97.15,76.97 v1(99.95,74.18)
  Bottom w0.2: v1(99.95,74.18) 99.95,50.17 101.35,48.78 101.35,30.74 101.73,30.36 111.51,30.36 FUDE1.18
Net-(FUDE1-G0): length 117.1
  Top w0.2: X910.1 12.95,68.84 51.44,68.84 53.09,67.19 65.53,67.19 66.12,67.78 80.47,67.78 81.03,68.34 101.47,68.34 v1(102.49,69.35)
  Bottom w0.2: FUDE1.11 102.62,48.9 101.09,50.43 101.09,67.95 v1(102.49,69.35)
Net-(GHDS1-CAS0): length 29.4
  Top w0.2: GHDS1.12 16.38,49.41 v1(19.05,49.41)
  Bottom w0.2: v1(19.05,49.41) 20.19,48.27 20.19,27.96 GVEK1.9
Net-(GHDS1-CAS1): length 20.7
  Bottom w0.2: GVEK1.12 12.57,27.96 12.57,36.71 11.3,37.98 GHDS1.13
Net-(GHDS1-CAS2): length 13.1
  In1.Cu w0.2: GHDS1.15 9.82,30.57 9.82,24.1 10.92,23 GVEK1.2
Net-(GHDS1-IR0): length 107.2
  Top w0.2: v1(14.86,129.8) 13.46,131.2 9.91,131.2 X823.1
  Bottom w0.2: v1(14.86,129.8) 14.86,97.29 16,96.15 16,89.67 14.73,88.4 14.73,61.22 15.24,60.72 15.24,44.59 16.38,43.44 GHDS1.18
Net-(GHDS1-IR1): length 102.6
  Top w0.2: v1(17.53,119.9) 16.13,121.29 7.11,121.29 X843.1
  Bottom w0.2: GHDS1.19 18.92,43.32 17.65,44.59 17.65,60.97 17.27,61.35 17.27,101.1 16.13,102.24 16.13,118.5 v1(17.53,119.9)
